# KiCad board fpgaboard.kicad_pcb (continued)
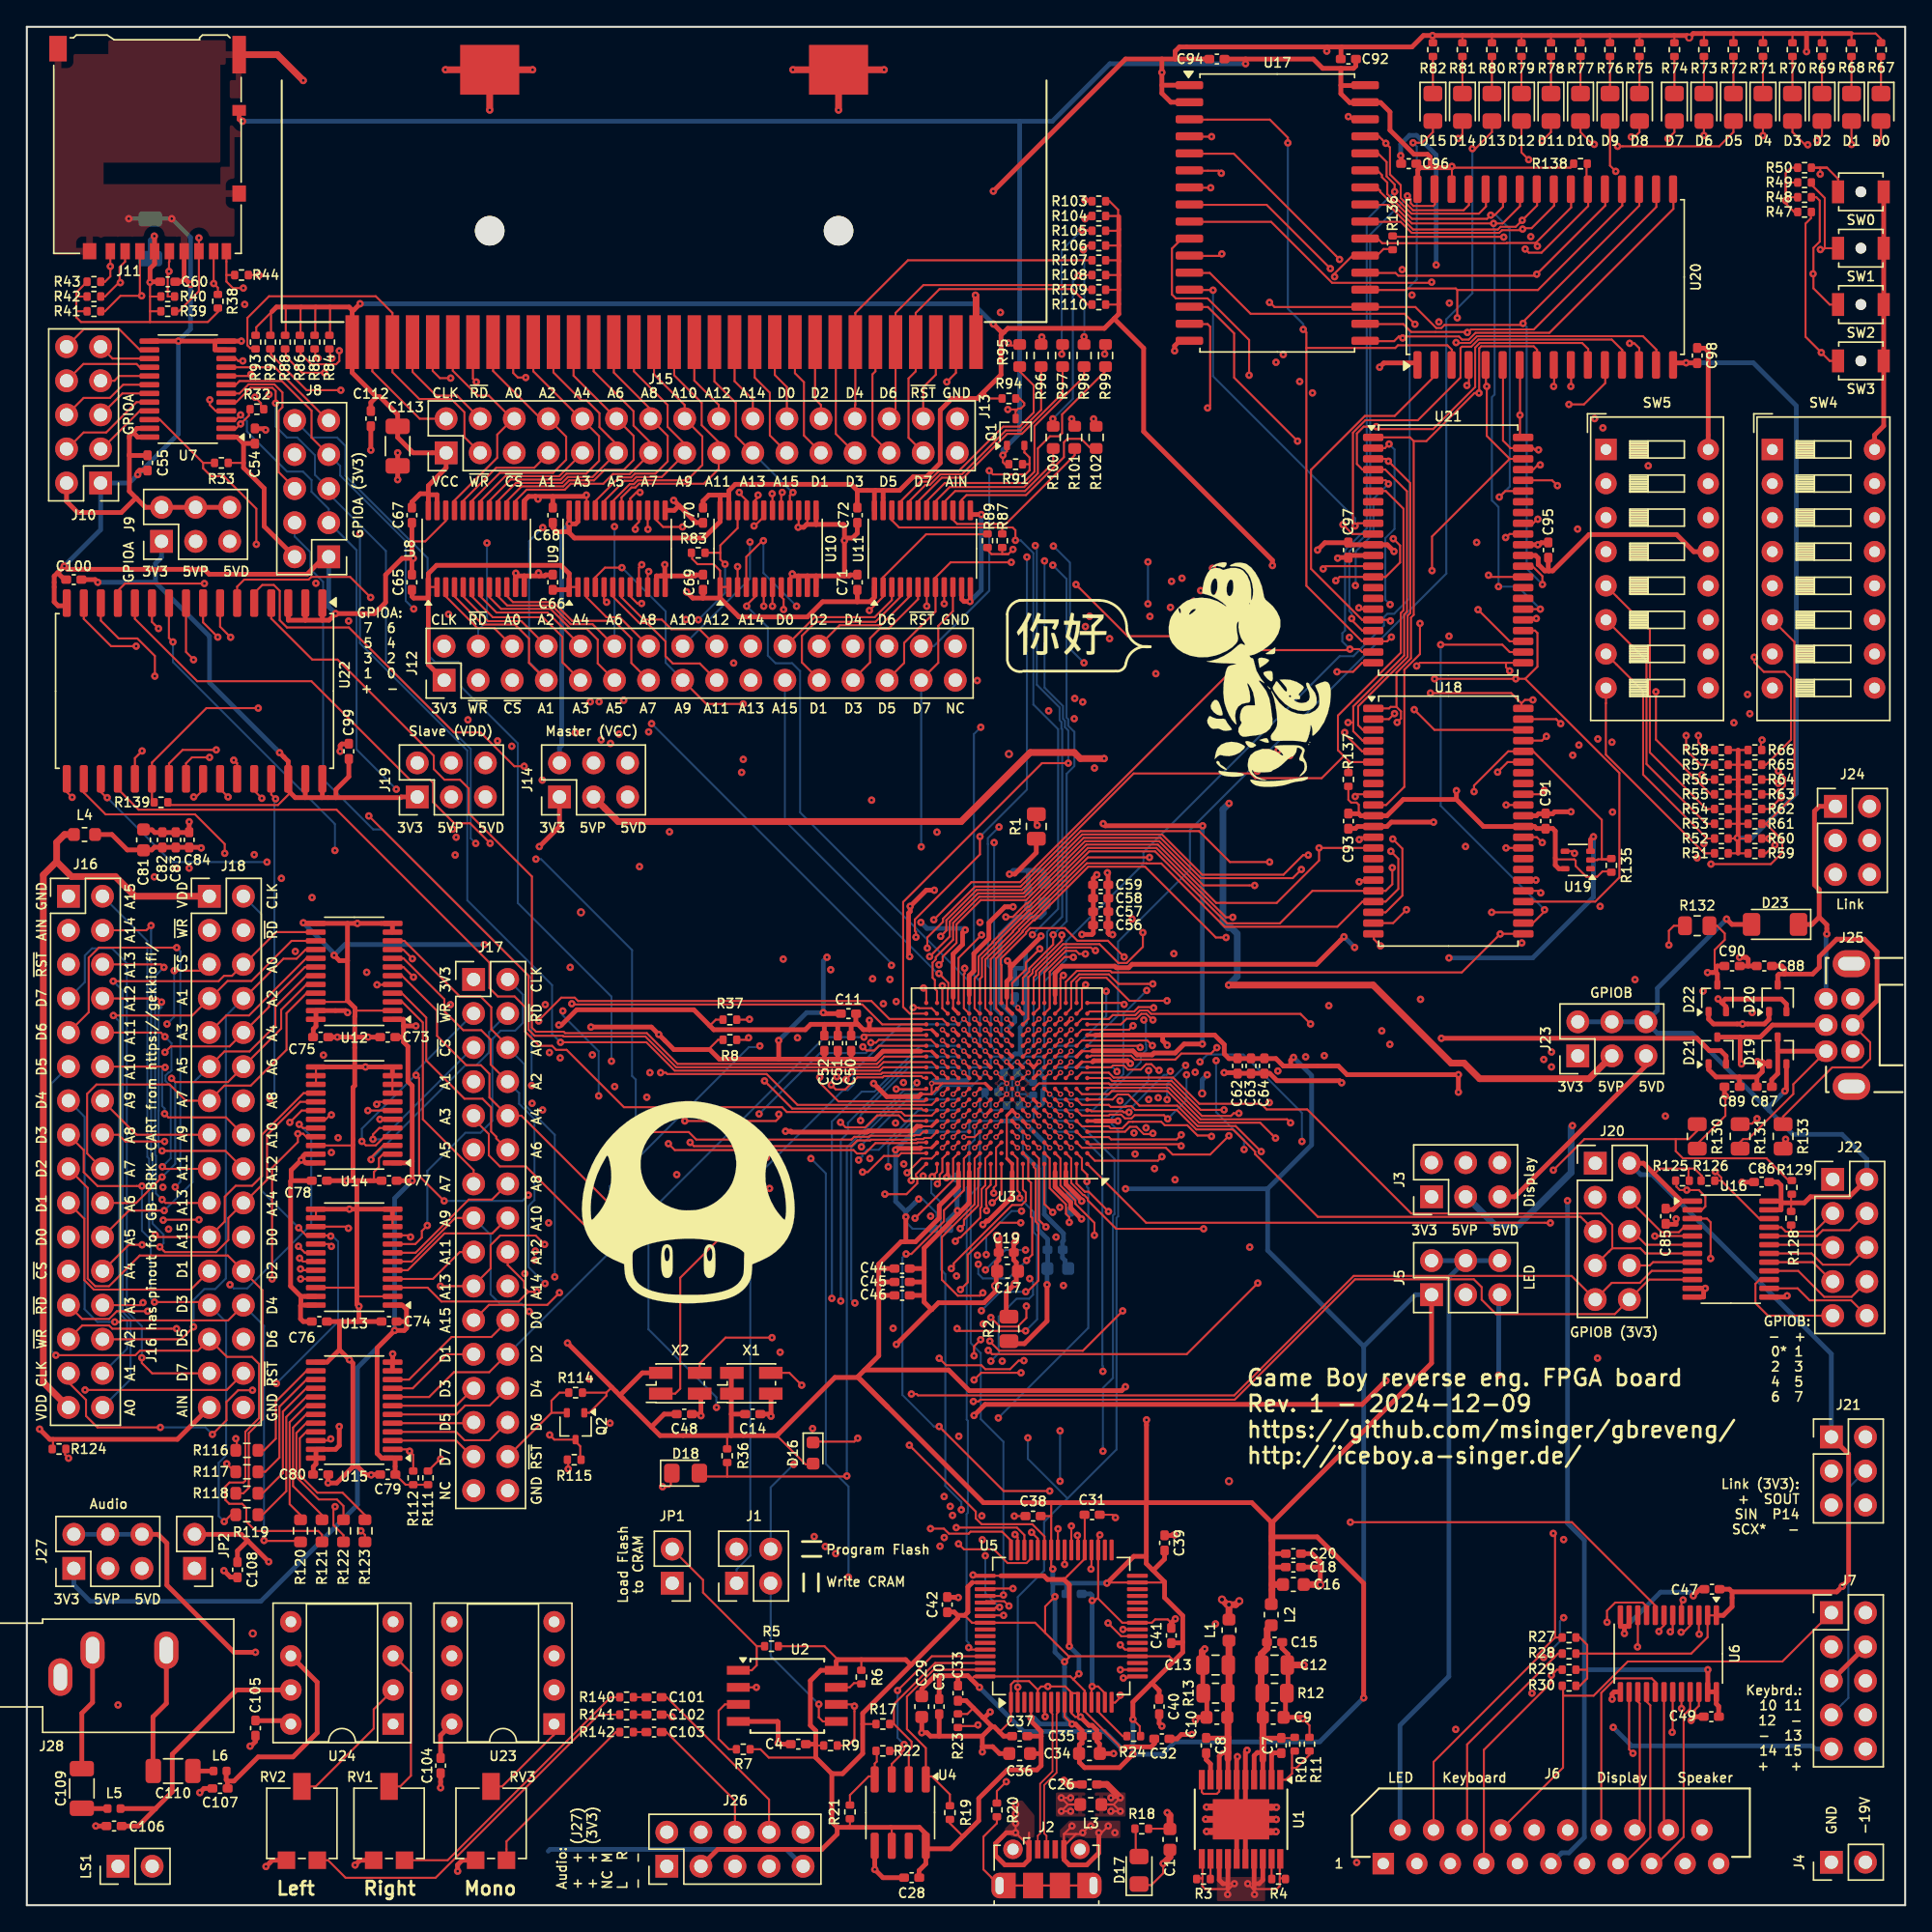
[diagram p0: board, top side]
## Routing (per net, layer and track width the routed paths; a pad name or vN(x,y) marks a point on that pad's centre or on a via; arc(x,y) is an arc through that point) (continued)
/SA5: length 75.5
  Top w0.15: v1(74.08,50.86) 72.52,50.86 70.13,48.48 70.13,46.42 v1(69.59,45.88) ; 27.25,68.62 26.52,68.62 26.5,68.6 v1(26.1,68.6) ; U3.C7 v3(74.64,56.45)
  In1.Cu w0.15: v1(37.12,47.07) 36.8,47.39 35.35,47.39 34.52,48.22 34.52,55.08 J17.11 27.16,62.44 27.16,67.54 v1(26.1,68.6) ; v1(74.08,50.86) 74.59,51.38 74.59,52.21 74.75,52.37 74.79,52.41 74.79,53.5 74.64,53.65 v3(74.64,56.45)
  In2.Cu w0.15: v1(37.12,47.07) 37.51,47.07 37.72,47.28 65.55,47.28 66.95,45.88 v1(69.59,45.88)
/SA6: length 86.7
  Top w0.15: 27.25,67.97 27.95,67.97 29.77,66.16 29.77,62.96 32.62,60.11 33.96,60.11 34.6,59.47 34.6,57.66 34.99,57.27 34.99,57.15 J17.12 ; U3.D9 v3(72.24,57.25)
  In1.Cu w0.15: v1(55.11,55.72) 56.15,54.69 v1(56.15,41.21) ; v3(72.24,57.25) 72.61,56.88 72.61,50.96 71.78,50.12 71.78,49.68 72.08,49.38 72.08,46.81 71.65,46.37 71.65,45.94 72.39,45.2 72.39,40.86 v1(72.7,40.55)
  In2.Cu w0.15: J17.12 47.65,56.3 48.23,55.72 v1(55.11,55.72) ; v1(72.7,40.55) 72.1,39.95 57.41,39.95 v1(56.15,41.21)
/SA7: length 70.3
  Top w0.15: J17.13 33.3,54.79 29.52,58.57 29.52,65.79 27.98,67.33 27.25,67.33 ; U3.E9 v3(72.24,58.05)
  In1.Cu w0.15: v1(70.85,48.44) 70.85,48.83 70.81,48.87 70.81,52.62 71.84,53.65 71.84,57.65 v3(72.24,58.05)
  In2.Cu w0.15: v1(70.85,48.44) 70.89,48.44 71.3,48.03 71.69,48.03 72.02,48.35 72.02,48.63 70.04,50.61 70.04,50.65 69.8,50.88 69.36,50.88 68.16,52.08 66.85,52.08 66.76,52.18 66.02,52.18 65.94,52.26 65.09,52.26 64.65,51.81 50.89,51.81 50.23,52.48 34.58,52.48 J17.13
/SA8: length 52
  Top w0.15: v1(72.06,53.08) 72.06,53.47 72.24,53.65 72.24,56.45 U3.C9 ; J17.14 34.67,52.59 32.94,52.59 28.97,48.62 27.25,48.62
  In2.Cu w0.15: J17.14 54.22,53.76 55.44,52.54 64.67,52.54 65.44,53.31 66.24,53.31 66.29,53.37 66.92,53.37 67.25,53.04 71.64,53.04 71.67,53.08 v1(72.06,53.08)
/SA9: length 71
  Top w0.15: U3.D10 v3(71.44,57.25) ; J17.15 31.93,51.22 28.68,47.97 27.25,47.97 ; v1(71.1,42.15) 70.6,41.66 v1(70.6,40.95)
  In1.Cu w0.15: v1(71.1,42.15) 70.77,42.48 70.77,43.52 70.37,43.92 70.37,45.32 70.54,45.48 70.54,47.15 70.13,47.56 70.13,49.94 70.3,50.11 70.3,52.91 71.04,53.65 71.04,56.85 v3(71.44,57.25)
  In2.Cu w0.15: v1(70.6,40.95) 70.39,41.16 69.21,41.16 64.59,45.77 42.06,45.77 40.8,44.5 37.69,44.5 v1(37.44,44.25)
  Bottom w0.15: J17.15 34.57,49.95 34.57,45.52 35.27,44.82 36.87,44.82 v1(37.44,44.25)
/SA10: length 50.3
  Top w0.15: U3.A11 71.04,55.02 70.91,54.89 70.91,52.15 69.85,51.09 69.85,50.71 v1(69.57,50.43) ; J17.16 34.69,50.07 31.13,50.07 28.39,47.33 27.25,47.33
  In2.Cu w0.15: v1(69.57,50.43) 69.07,50.43 67.67,51.83 66.75,51.83 66.65,51.93 65.92,51.93 65.84,52.01 65.2,52.01 64.75,51.56 37.39,51.56 37.04,51.22 J17.16
/SA11: length 57.1
  Top w0.15: v1(71.53,51.77) 71.53,52.16 71.5,52.19 71.5,53.35 71.84,53.69 U3.A10 ; 27.25,46.67 30.27,46.67 32.27,48.68 J17.17
  In2.Cu w0.15: J17.17 34.42,49.8 40.85,49.8 41.31,49.35 47,49.35 47,49.35 64.1,49.35 64.75,50 66.6,50 68.09,48.5 69.3,48.5 70.15,47.65 70.15,47.5 70.95,46.69 71.95,46.69 72.28,47.02 72.28,48.74 71.81,49.21 71.81,51.49 v1(71.53,51.77)
/SA12: length 65.7
  Top w0.15: 27.25,46.03 29.87,46.03 30.9,44.99 36.66,44.99 37.38,45.72 ; J17.18 35.84,47.72 37.07,46.48 37.07,46.04 37.38,45.72 ; 37.38,45.72 v1(38.01,45.72) ; U3.C10 v3(71.44,56.45)
  In1.Cu w0.15: v1(71.28,43.32) 71.28,43.37 70.63,44.02 70.63,45.21 70.79,45.38 70.79,47.26 70.38,47.67 70.38,49.83 70.56,50.01 70.56,52.77 71.44,53.65 v3(71.44,56.45)
  In2.Cu w0.15: v1(38.01,45.72) 38.4,45.72 39.07,45.05 40.63,45.05 41.85,46.27 65.13,46.27 68.91,42.49 70.45,42.49 v1(71.28,43.32)
/SA13: length 75.1
  Top w0.15: v1(71.26,45.64) 71.05,45.43 69.39,45.43 68.21,46.61 68.21,49.81 70.64,52.24 70.64,55.65 U3.B11 ; v1(30.82,46.14) J17.19 33.3,46.19 34.57,47.46 34.57,49.2 35.28,49.91 37.93,49.91 v1(38.59,49.25) ; 27.25,58.58 v1(26.32,58.58)
  In1.Cu w0.15: v1(30.82,46.14) 27.63,49.33 27.63,57.26 v1(26.32,58.58)
  In2.Cu w0.15: v1(38.59,49.25) 38.98,49.25 39.13,49.1 46.89,49.1 64.21,49.1 64.86,49.74 66.49,49.74 67.99,48.25 69.2,48.25 69.9,47.55 69.9,47.39 71.26,46.03 v1(71.26,45.64)
/SA14: length 68.7
  Top w0.15: 27.25,59.22 v1(25.42,59.22) ; U3.A7 74.24,53.33 74.46,53.12 74.46,52.49 74.15,52.19 73.44,52.19 69.09,47.84 69.09,47.64 v1(68.9,47.45)
  In1.Cu w0.15: v1(37.86,48.08) 37.86,47.13 36.87,46.14 J17.20 34.63,47.35 32.72,47.35 31.8,48.28 31.8,54.61 26.22,60.19 25.87,60.19 25.42,59.74 v1(25.42,59.22)
  In2.Cu w0.15: v1(68.9,47.45) 68.87,47.48 67.62,47.48 65.86,49.24 65.21,49.24 64.38,48.4 38.18,48.4 v1(37.86,48.08)
/SA15: length 78.6
  Top w0.15: U3.B8 73.84,55.65 73.84,53.26 74,53.09 v1(74,52.71) ; v1(69.33,42.98) 69.51,42.8 74.44,42.8 v1(74.44,42.8) ; J17.21 34.44,44.74 38.79,44.74 v1(39.7,45.65) ; v1(26.07,59.69) 26.26,59.88 27.25,59.88
  In1.Cu w0.15: J17.21 33.3,44.4 30.31,47.39 30.31,55.45 v1(26.07,59.69)
  In2.Cu w0.15: v1(39.7,45.65) 40.61,45.65 41.49,46.53 65.23,46.53 68.78,42.98 v1(69.33,42.98)
  Bottom w0.15: v1(74,52.71) 75.04,51.67 75.04,50.16 75.3,49.9 75.3,43.66 v1(74.44,42.8)
/SCLK: length 103.8
  Top w0.15: v1(29.85,50.66) 29.44,50.25 29.44,49.76 28.96,49.28 27.25,49.28 ; v1(68,40.76) 68.52,40.24 71.15,40.24 71.44,39.95 73.29,39.95 73.92,40.59 v1(74.31,40.59) ; U3.F7 v3(74.64,58.85)
  In1.Cu w0.15: v1(67.36,51.35) 67.29,51.28 67.29,50.43 66.9,50.05 66.9,45.95 67.62,45.23 67.62,41.14 v1(68,40.76)
  In2.Cu w0.15: v1(29.85,50.66) 30.46,50.05 36.84,50.05 38.1,51.31 64.86,51.31 65.3,51.75 65.73,51.75 65.81,51.67 66.55,51.67 66.87,51.35 v1(67.36,51.35) ; v1(74.31,40.59) 75,41.27 75,43.24 73.71,44.53 73.71,45.71 74.16,46.15 74.16,46.52 73.99,46.69 73.99,49.05 75.04,50.1 75.04,58.45 v3(74.64,58.85)
  Bottom w0.15: J17.2 36.98,67.86 36.98,65.77 36.39,65.18 35.32,65.18 34.7,64.57 34.7,58.46 33.81,57.57 32.69,57.57 29.85,54.73 v1(29.85,50.66)
/SCX: length 80.2
  Top w0.15: 124.15,51.17 125.22,51.17 125.5,50.9 v1(125.5,48.2) ; U3.G1 80.92,60.05 81.29,60.42 82.09,60.42 82.93,59.59 85.75,59.59 87.27,58.07 90.1,58.07 v1(92,56.17)
  In1.Cu w0.15: J21.5 134.5,29.86 122.73,41.63 122.73,48.3 ; 122.73,48.3 125.4,48.3 v1(125.5,48.2) ; 122.73,48.3 122.65,48.3 122.05,48.9 122.05,49.87 120.43,51.49 118.17,51.49 J20.3
  In2.Cu w0.15: J20.3 116.44,52.76 112.56,56.64 103.63,56.64 103.16,56.17 v1(92,56.17)
/SD0: length 63
  Top w0.15: U3.M14 v3(68.24,64.45) ; J17.22 35.84,43.57 34.62,42.35 31.66,42.35 28.49,39.17 27.25,39.17
  In1.Cu w0.15: J17.22 36.69,44.45 36.69,45.04 39.63,47.98 39.63,62.57 38.95,63.25 v1(38.95,63.55)
  In2.Cu w0.15: v3(68.24,64.45) 63.9,64.45 62.96,63.51 62.15,63.51 62.1,63.56 44.72,63.56 44.15,64.13 40.26,64.13 39.96,63.83 39.23,63.83 v1(38.95,63.55)
/SD1: length 61.6
  Top w0.15: J17.23 31.3,41.06 28.76,38.53 27.25,38.53 ; U3.L12 v3(69.84,63.65)
  In2.Cu w0.15: v1(60,45.23) 41.88,45.23 38.98,42.33 34.57,42.33 J17.23
  Bottom w0.15: v3(69.84,63.65) 69.44,64.05 66.59,64.05 63.17,60.64 62.23,60.64 60,58.41 v1(60,45.23)
/SD2: length 51
  Top w0.15: J17.24 35.8,41.06 34.46,39.72 31.83,39.72 29.98,37.88 27.25,37.88 ; U3.N16 62.55,64.85 v1(62.4,64.7)
  Bottom w0.15: v1(62.4,64.7) 59.48,64.7 J17.24
/SD3: length 65.7
  Top w0.15: J17.25 33.29,38.52 32,37.22 27.25,37.22 ; U3.L13 v3(69.04,63.65)
  In1.Cu w0.15: v1(39.75,63.15) 39.89,63.01 39.89,46.54 39.05,45.7 39.05,44.93 36.43,42.31 35.19,42.31 34.57,41.69 34.57,39.79 J17.25
  In2.Cu w0.15: v3(69.04,63.65) 68.64,64.05 63.92,64.05 63.13,63.26 62.04,63.26 61.99,63.31 44.62,63.31 44.05,63.88 40.39,63.88 39.75,63.24 v1(39.75,63.15)
/SD4: length 67.3
  Top w0.15: J17.26 35.78,38.52 34.5,37.24 32.67,37.24 32,36.58 27.25,36.58 ; U3.L14 v3(68.24,63.65)
  In1.Cu w0.15: v1(42.15,63.38) 41.93,63.16 v1(41.93,39.22)
  In2.Cu w0.15: v1(42.15,63.38) 42.54,63.38 42.79,63.63 43.94,63.63 44.51,63.06 61.89,63.06 61.94,63.01 63.38,63.01 64.03,63.65 v3(68.24,63.65) ; v1(41.93,39.22) 37.56,39.22 36.87,38.52 J17.26
/SD5: length 62.1
  Top w0.15: U3.K12 v3(69.84,62.85) ; J17.27 33.25,35.92 27.25,35.92
  In2.Cu w0.15: J17.27 34.7,37.39 45.95,37.39 53.32,44.76 60.39,44.76 v1(60.67,45.03)
  Bottom w0.15: v3(69.84,62.85) 69.44,63.25 66.14,63.25 61.2,58.31 61.2,57.57 60.67,57.04 v1(60.67,45.03)
/SD6: length 62.9
  Top w0.15: J17.28 35.81,35.98 34.48,34.65 32.63,34.65 32,35.28 27.25,35.28 ; U3.M16 63.5,64.05 63.16,63.7 62.59,63.7 v1(62.31,63.98)
  In1.Cu w0.15: v1(43.46,50.17) 43.46,35.94 v1(43.47,35.93)
  In2.Cu w0.15: v1(62.31,63.98) 54.7,63.98 v1(54.63,64.04) ; v1(43.47,35.93) 36.92,35.93 36.87,35.98 J17.28
  Bottom w0.15: v1(54.63,64.04) 54.55,63.96 53.82,63.96 43.46,53.59 v1(43.46,50.17)
/SD7: length 64.3
  Top w0.15: 27.25,34.62 32,34.62 33.19,33.44 J17.29 ; U3.J10 v3(71.44,62.05)
  In2.Cu w0.15: v1(61.72,44.89) 59.92,43.09 55.31,43.09 46.82,34.6 34.46,34.6 J17.29
  Bottom w0.15: v3(71.44,62.05) 70.44,61.05 68.24,61.05 67.64,60.45 65.45,60.45 61.44,56.45 61.44,45.16 v1(61.72,44.89)
/SDCARD_D0: length 140.7
  Top w0.15: v1(12.83,124.27) J11.7 12.83,120.3 11.33,118.8 10.95,118.8 ; v1(78.2,98.43) 82.05,94.58 v1(85.54,94.58) ; U3.F1 79.27,59.25 79.34,59.17 81.68,59.17 81.76,59.09 v1(82.15,59.09)
  In1.Cu w0.15: v1(85.23,62.16) 85.23,62.69 85.97,63.43 85.97,93.62 85.54,94.05 v1(85.54,94.58) ; v1(78.2,98.43) 77.22,99.41 77.22,114.06 v1(72.56,118.71)
  In2.Cu w0.15: v1(12.83,124.27) 13.55,124.27 19.1,118.71 v1(72.56,118.71)
  Bottom w0.15: 85.15,62.16 v1(85.23,62.16) 84.96,61.89 84.76,61.89 82.42,59.55 82.42,59.37 v1(82.15,59.09)
/SDCARD_D1: length 146.2
  Top w0.15: 14.24,120 14.24,120.55 v1(13.93,120.87) 13.92,120.87 J11.8 ; v1(90.34,59.03) 89.95,59.03 89.75,58.83 87.58,58.83 85.23,61.18 80.71,61.18 80.64,61.25 75.44,61.25 U3.H6
  In1.Cu w0.15: v1(93.24,62.17) 88.11,67.3 88.11,96.89 v1(87.84,97.16)
  In2.Cu w0.15: v1(93.24,62.17) 93.24,61.93 v1(90.34,59.03) ; v1(13.93,120.87) 15.03,119.77 16.46,119.77 16.69,119.53 16.69,118.49 34.11,101.08 44.03,101.08 46.51,98.59 49.57,98.59 49.89,98.27 63.11,98.27 63.34,98.5 70.72,98.5 71.74,97.48 78.61,97.48 78.82,97.7 87.12,97.7 87.38,97.44 87.57,97.44 v1(87.84,97.16)
/SDCARD_D2: length 142.3
  Top w0.15: 5.45,121 5.83,121 6.23,121.4 v1(6.23,122.15) J11.1 ; U3.F2 78.64,58.85 80.64,58.85 80.71,58.92 81.57,58.92 81.85,58.64 82.33,58.64 82.57,58.88 84.76,58.88 v1(85.03,58.6)
  In1.Cu w0.15: v1(86.1,98.9) 86.1,93.98 86.28,93.8 86.28,63.36 85.85,62.93 85.85,62.41 86.36,61.89 v1(86.44,61.89)
  In2.Cu w0.15: v1(86.1,98.9) 85.86,99.14 77.48,99.14 76.93,98.58 72.74,98.58 71.12,100.2 53.17,100.2 51.59,101.78 34.95,101.78 24.34,112.39 23.27,112.39 21,114.66 21,115.58 16.56,120.02 16,120.02 13.59,122.42 6.5,122.42 v1(6.23,122.15)
  Bottom w0.15: v1(86.44,61.89) 86.44,60.01 v1(85.03,58.6)
/SDCARD_D3: length 143.9
  Top w0.15: U3.H3 v3(77.84,60.45) ; 5.45,119.9 5.83,119.9 6.92,120.99 ; 6.92,120.99 6.92,122.09 7.33,122.5 J11.2 ; 6.92,120.99 v1(6.97,120.93)
  In1.Cu w0.15: v1(87.08,62.09) 87.08,62.55 86.83,62.8 86.83,96.65 86.98,96.8 v1(86.98,97.18)
  In2.Cu w0.15: v1(87.08,62.09) 88.1,61.07 88.1,60.31 87.79,60 86.09,60 85.32,60.77 78.16,60.77 v3(77.84,60.45) ; v1(86.98,97.18) 86.59,97.18 86.33,97.44 78.93,97.44 78.71,97.23 71.64,97.23 70.61,98.25 63.45,98.25 63.22,98.02 49.79,98.02 49.47,98.34 38.39,98.34 36.24,100.48 34.34,100.48 19.17,115.66 11.53,115.66 6.97,120.23 v1(6.97,120.93)
/SDCARD_SW: length 100.7
  Top w0.15: 15.55,121.5 14.88,121.5 ; 14.88,121.5 J11.9 ; 14.88,121.5 14.88,121.02 15.36,120.53 v1(16.13,120.53) ; v1(25.49,81.19) 37.39,69.28 37.39,65.26 37.85,64.8 39.96,64.8 40.02,64.75 46.1,64.75 48.4,62.45 63.47,62.45 63.85,62.84 67.45,62.84 U3.K15
  In1.Cu w0.15: v1(25.49,81.19) 25.49,94.21 v1(23.98,95.71) ; v1(16.13,120.53) 15.74,120.13 15.74,118.48 21.27,112.94 21.27,98.81 v1(21.55,98.53)
  In2.Cu w0.15: v1(21.55,98.53) 23.98,96.1 v1(23.98,95.71)
/SDIR: length 73.2
  Top w0.102: U3.P14 68.64,65.66
  Top w0.15: U3.P14 68.24,66.05 64.29,66.05 62.95,67.39 41.08,67.39 40.84,67.64 39.83,67.64 38.15,65.96 v1(38.15,65.9) ; 27.25,33.97 28.39,33.97 v1(28.53,33.84) 28.8,33.56 R112.2
  In1.Cu w0.15: v1(28.53,33.84) 28.53,38.1 32.76,42.33 33.8,42.33 34.53,43.06 34.53,44 35.49,44.96 36.25,44.96 39.37,48.07 39.37,62.43 38.1,63.7 38.1,65.85 v1(38.15,65.9)
/SIN: length 142
  Top w0.15: v1(91.75,46.37) 86.45,41.07 71.94,41.07 v1(71.66,41.35) ; 27.25,49.92 28.47,49.92 v1(28.6,49.8) ; U3.F3 v3(77.84,58.85)
  In2.Cu w0.15: v1(28.6,49.8) 28.6,49.08 32.92,44.75 40.69,44.75 41.96,46.02 65.03,46.02 69.42,41.63 71.38,41.63 v1(71.66,41.35) ; v3(77.84,58.85) 80.65,58.85 80.71,58.91 81.69,58.91 81.96,58.64 82.08,58.64 83.05,57.67 83.05,54.67 83.64,54.09 83.64,53.85 87.53,49.96 88.16,49.96 v1(91.75,46.37) 94.79,43.33 122.51,43.33 133.47,32.36 J21.3
/SIN_5V: length 133.1
  Top w0.15: v1(23.97,50.45) 23.85,50.58 21.55,50.58 ; 122.9,57.1 122.9,56.2 123.44,55.66 129.66,55.66 131.32,54.01 R129.2 ; 122.9,57.1 123.88,57.1 124.5,57.72 124.5,58.25 ; 122.9,57.1 116.09,57.1 115.62,56.63 v1(113.78,54.78) ; v1(81.68,44.29) 78.71,41.32 72.48,41.32 71.78,42.02 v1(71.78,42.04)
  In1.Cu w0.15: v1(84.05,54.9) 83.76,54.61 83.76,46.37 v1(81.68,44.29)
  In2.Cu w0.15: v1(71.78,42.04) 72.55,42.82 72.55,43.85 71.3,45.1 71.1,45.1 69.8,46.4 68.34,46.4 67.21,47.53 32.34,47.53 29.14,50.73 24.24,50.73 v1(23.97,50.45) ; v1(84.05,54.9) 84.22,55.07 102.67,55.07 103.99,56.39 112.17,56.39 v1(113.78,54.78)
/SOUT: length 156.3
  Top w0.15: 46.28,98.25 46.28,99.33 v1(46.35,99.4) ; U3.G3 v3(77.84,59.65)
  In1.Cu w0.15: v1(86.37,62.6) 86.54,62.77 86.54,93.89 86.46,93.98 86.46,97.31 87.12,97.98 v1(87.49,97.98) ; v1(81.48,59.95) 82.19,60.67 84.5,60.67 84.99,60.17 v1(84.99,60.04) 84.99,59.8 91.15,53.65 v1(91.15,49.05)
  In2.Cu w0.15: J21.2 137.04,34.91 127.84,44.11 96.08,44.11 v1(91.15,49.05) ; v1(46.35,99.4) 46.66,99.09 49.43,99.09 50,98.52 63.01,98.52 63.24,98.75 70.82,98.75 71.84,97.73 78.5,97.73 78.72,97.95 87.07,97.95 87.1,97.98 v1(87.49,97.98) ; v1(81.48,59.95) 81.18,59.65 v3(77.84,59.65)
  Bottom w0.15: v1(84.99,60.04) 84.99,61.22 v1(86.37,62.6)
/SOUT_5V: length 110.3
  Top w0.15: 123.55,73 122.76,73 122.39,72.63 v1(122.39,71.56) ; v1(48.87,102.73) 47.42,102.73 46.92,103.22 46.92,103.95
  In1.Cu w0.15: v1(88.37,99.64) 88.37,75.78 97.04,67.11 v1(97.04,67.04)
  In2.Cu w0.15: v1(88.37,99.64) 77.27,99.64 76.72,99.09 72.95,99.09 71.33,100.7 53.76,100.7 51.74,102.73 v1(48.87,102.73) ; v1(97.04,67.04) 98.39,68.39 119.94,68.39 122.39,70.84 v1(122.39,71.56)
/SPEAKER: length 125.4
  Top w0.35: 16.48,27.15 15.99,27.64 JP2.2 ; 16.48,27.15 v1(18.03,25.6) ; 16.48,27.15 16.44,27.15 15.7,26.41 15.7,25.55
  In2.Cu w0.35: v1(18.03,25.6) 41.99,25.6 53.49,14.1 66.94,14.1 68.84,12.2 81.94,12.2 84.3,14.55 110.74,14.55 114.84,10.45 120,10.45 J6.20
/USB_~{PWR}: length 41.1
  Top w0.15: v1(70.2,19.2) 70.35,19.05 71.4,19.05 ; U3.E11 v3(70.64,58.05)
  Bottom w0.15: v3(70.64,58.05) 70.64,57.05 70.24,56.65 70.24,53.65 70.05,53.46 70.05,36.2 70.14,36.11 70.14,29.24 70.04,29.15 70.04,19.71 70.2,19.55 v1(70.2,19.2)
/USB_~{SUSP}: length 42.5
  Top w0.15: U3.C12 v3(69.84,56.45) ; v1(79.32,25.05) 79.35,25.08 79.35,26.5
  In1.Cu w0.15: v1(71.21,27.24) 70.73,27.72 70.73,29.09 68.98,30.85 68.98,40.03 69.21,40.26 69.21,40.47 69.21,42.01 68.63,42.59 68.63,45.97 68.11,46.49 68.11,49.56 68.29,49.74 68.29,50.49 68.66,50.85 68.66,52.51 69.84,53.69 v3(69.84,56.45)
  In2.Cu w0.15: v1(71.21,27.24) 72.72,27.24 73.35,26.61 77.75,26.61 v1(79.32,25.05)
/VA0: length 81.8
  Top w0.15: 8.05,96.85 8.05,95.87 12.7,91.23 21.21,91.23 28.55,83.89 30.05,83.89 30.28,83.65 30.28,82.21 31.85,80.64 33.04,80.64 v1(34.53,79.14) ; U3.E16 65.4,58.45 64.98,58.87 63.38,58.87 62.48,57.97 61.03,57.97 v1(60.65,58.35)
  In1.Cu w0.15: v1(60.65,58.35) 60.55,58.35 58,60.9 58,68.96 56.45,70.51 v1(56.38,70.51)
  In2.Cu w0.15: v1(34.53,79.14) 43.16,70.51 v1(56.38,70.51)
/VA1: length 88.5
  Top w0.15: 9.33,96.85 9.33,95.65 v1(9.82,95.15) ; U3.G13 v3(69.04,59.65)
  In1.Cu w0.15: v1(32.88,88.35) 32.88,84.65 33.65,83.87 34.66,83.87 39.98,78.55 39.98,66.68 v1(39.95,66.65)
  In2.Cu w0.15: v1(42.62,60.32) 43.06,59.88 45.88,59.88 45.99,59.77 53.83,59.77 54.04,59.98 56.38,59.98 56.98,59.38 61.66,59.38 61.71,59.44 63.13,59.44 63.19,59.37 65.32,59.37 65.44,59.25 68.64,59.25 v3(69.04,59.65) ; v1(9.82,95.15) 11.03,95.15 13.57,92.61 13.57,92.23 17.45,88.35 v1(32.88,88.35)
  Bottom w0.15: v1(39.95,66.65) 39.95,66.32 42.62,63.65 v1(42.62,60.32)
/VA2: length 85.9
  Top w0.15: 10.59,96.85 10.59,96.85 10.59,94.45 v1(10.89,94.15) ; U3.D16 66.81,57.65 66.56,57.4 66.2,57.4 66.15,57.35 62.86,57.35 62.78,57.27 61.67,57.27 61.46,57.06 49.9,57.06 49.34,57.62 45.92,57.62 v1(45.11,56.81)
  In1.Cu w0.15: v1(37.94,77.97) 32.24,77.97 v1(31.93,78.27)
  In2.Cu w0.15: v1(31.93,78.27) 23.3,78.27 v1(22.96,78.61)
  Bottom w0.15: v1(45.11,56.81) 45.39,57.09 45.39,61.53 45.11,61.81 45.11,71.19 38.33,77.97 v1(37.94,77.97) ; v1(10.89,94.15) 10.89,92.65 22.96,80.58 v1(22.96,78.61)
/VA3: length 87.8
  Top w0.15: v1(12.43,92.82) 12.43,92.85 11.87,93.41 11.87,96.85 ; U3.G12 v3(69.84,59.65)
  In1.Cu w0.15: v1(62,55.54) 61.44,56.1 61.44,58.25 58.29,61.39 58.29,73.08 44.78,86.59 v1(43.5,86.59)
  In2.Cu w0.15: v1(12.43,92.82) 17.36,87.89 33.12,87.89 33.25,88.03 42.3,88.03 43.5,86.83 v1(43.5,86.59)
  Bottom w0.15: v3(69.84,59.65) 69.44,59.25 66.45,59.25 63.5,56.3 62.62,56.3 62.27,55.95 62.27,55.81 v1(62,55.54)
/VA4: length 82.7
  Top w0.15: v1(14.23,94.51) 13.13,95.61 13.13,96.85 ; U3.F14 v3(68.24,58.85)
  In1.Cu w0.15: v1(20.01,71.09) 20.01,74.05 16,78.06 16,82.21 15.99,82.23 15.99,92.76 v1(14.23,94.51)
  In2.Cu w0.15: v3(68.24,58.85) 65.44,58.85 65.17,59.12 62.74,59.12 62.67,59.18 61.82,59.18 61.76,59.13 56.64,59.13 56.04,59.73 54.18,59.73 53.97,59.52 45.89,59.52 45.88,59.52 39.31,59.52 38.61,60.22 32.18,60.22 21.31,71.09 v1(20.01,71.09)
/VA5: length 94.9
  Top w0.15: v1(15.19,94.5) 14.41,95.29 14.41,96.85 ; U3.F12 v3(69.84,58.85)
  In1.Cu w0.15: v1(15.19,94.5) 16.24,93.45 16.24,82.33 16.25,82.32 16.25,78.16 17.37,77.04 17.46,77.04 21.54,72.97 21.54,67.18 23.65,65.07 23.65,62.6 22.83,61.79 22.83,60.97 23.5,60.3 23.5,58.37 23.2,58.07 v1(23.2,57.2)
  In2.Cu w0.15: v1(64.21,55.04) 63.82,55.04 63.75,55.1 62.23,55.1 62.21,55.09 61.78,55.09 61.68,55.19 32.1,55.19 31.18,56.12 25.01,56.12 23.92,57.2 v1(23.2,57.2)
  Bottom w0.15: v1(64.21,55.04) 64.21,56.61 66.05,58.45 69.44,58.45 v3(69.84,58.85)
/VA6: length 86.9
  Top w0.15: v1(25.62,97.47) 24.09,99 21.2,99 21,98.8 16.2,98.8 15.67,98.28 15.67,96.85 ; v1(49.44,56.85) 49.71,56.58 61.47,56.58 61.89,57 62.86,57 62.91,57.05 66.25,57.05 66.3,57.1 66.82,57.1 66.9,57.19 67.38,57.19 U3.D15
  In1.Cu w0.15: v1(49.44,56.85) 49.71,57.12 49.71,60.38 46.44,63.65 46.44,78.14 43.62,80.96 43.62,85.3 40.43,88.48 37.08,88.48 34.91,90.66 34.91,91.86 34.2,92.57 33.03,92.57 32.31,93.3 32.31,94.61 29.45,97.47 v1(25.62,97.47)
/VA7: length 89.8
  Top w0.15: v1(37.07,84.89) 36.34,84.89 33.81,87.41 31.82,87.41 24,95.23 19.39,95.23 18.85,95.77 18.85,97.96 18.41,98.4 17.55,98.4 16.95,97.79 16.95,96.85 16.94,96.85 ; v3(70.64,58.85) U3.F11
  In1.Cu w0.15: v1(37.07,84.89) 37.07,82.55 44.28,75.34 44.28,62.86 48.44,58.69 v1(48.44,54.45) ; v3(70.64,58.85) 70.24,58.45 67.84,58.45 66.19,56.8 66.19,54.29 v1(65.92,54.02)
  In2.Cu w0.15: v1(48.44,54.45) 48.87,54.02 v1(65.92,54.02)
/VA8: length 76.7
  Top w0.15: v1(15.42,85.34) 15.63,85.13 15.67,85.13 15.67,84.15 ; v1(47.82,56.76) 48.29,56.28 61.62,56.28 61.88,56.02 62.47,56.02 63.25,56.8 66.35,56.8 66.4,56.85 U3.C16
  In1.Cu w0.15: v1(35.09,86.78) 35.36,86.5 35.36,83.55 42.64,76.27 42.64,63.05 47.82,57.87 v1(47.82,56.76)
  In2.Cu w0.15: v1(35.09,86.78) 16.86,86.78 v1(15.42,85.34)
/VA9: length 79.5
  Top w0.15: v1(56.05,58.95) 56.05,58.67 55.83,58.45 v1(49.04,58.45) ; v1(15,82.6) 14.43,83.17 14.41,83.17 14.41,84.15 ; U3.F13 v3(69.04,58.85)
  In1.Cu w0.15: v1(49.04,58.45) 44.53,62.96 44.53,75.45 38.42,81.56 v1(38.42,83.85)
  In2.Cu w0.15: v1(38.42,83.85) 26.81,83.85 24.21,86.46 18.1,86.46 15,83.36 v1(15,82.6) ; v1(56.05,58.95) 56.13,58.87 61.86,58.87 61.92,58.93 62.36,58.93 62.43,58.86 65.03,58.86 65.44,58.45 68.64,58.45 v3(69.04,58.85)
/VA10: length 84.7
  Top w0.15: v1(62.29,54.64) 62.68,54.64 63.88,55.84 64.97,55.84 65.17,56.05 U3.B16 ; 10.59,84.15 10.59,85.09 11.61,86.11 v1(14.12,86.11)
  In1.Cu w0.15: v1(14.12,86.11) 14.12,82.81 15.75,81.18 15.75,77.96 19.45,74.25 19.45,68.49 22.59,65.35 22.59,61.9 22.52,61.83 22.52,60.92 23.2,60.25 23.2,58.68 22.7,58.18 v1(22.7,56.1)
  In2.Cu w0.15: v1(22.7,56.1) 24.2,54.6 31.9,54.6 32.22,54.92 61.59,54.92 61.87,54.64 v1(62.29,54.64)
/VA11: length 83
  Top w0.15: v1(12.44,82.6) 12.61,82.6 13.13,83.13 13.13,84.15 ; U3.E13 v3(69.04,58.05)
  In1.Cu w0.15: v1(11.13,77.3) 11.13,81.29 v1(12.44,82.6)
  In2.Cu w0.15: v3(69.04,58.05) 68.64,57.65 65.44,57.65 65.31,57.52 63.44,57.52 62.99,57.07 54.44,57.07 53.76,57.75 48.72,57.75 48.68,57.79 25.55,57.79 17.06,66.28 15.59,66.28 14.8,67.07 14.8,68.2 14.16,68.85 12.71,68.85 8.49,73.07 8.49,76.46 9.33,77.3 v1(11.13,77.3)
/VA12: length 72
  Top w0.15: 18.22,96.85 18.22,95.9 21.28,92.84 23.16,92.84 30.33,85.67 30.33,84.68 31.12,83.89 32.28,83.89 32.93,83.23 32.93,81.38 37.64,76.67 37.64,65.41 37.95,65.1 40.02,65.1 40.12,65 46.21,65 48.5,62.7 63.36,62.7 63.91,63.25 U3.L16
/VA13: length 67
  Top w0.15: U3.K13 v3(69.04,62.85) ; v1(17.52,82.5) 16.94,83.07 16.94,84.15
  In1.Cu w0.15: v1(17.52,82.5) 18.97,81.04 v1(18.97,76.53)
  In2.Cu w0.15: v1(18.97,76.53) 18.97,76.08 24.85,70.2 24.85,68.79 28.56,65.08 36.37,65.08 38.95,62.5 42.44,62.5 43.31,63.38 43.84,63.38 44.46,62.76 63.49,62.76 63.98,63.25 68.64,63.25 v3(69.04,62.85)
/VD0: length 84.3
  Top w0.15: 6.78,96.85 6.78,97.97 7.32,98.51 v1(13.23,98.51) ; v1(59.1,61.71) 59.1,61.3 60.49,59.91 66.9,59.91 U3.G16
  In1.Cu w0.15: v1(44.15,87.29) 44.43,87.01 44.72,87.01 58.57,73.16 58.57,63.62 59.1,63.09 v1(59.1,61.71)
  In2.Cu w0.15: v1(13.23,98.51) 13.62,98.51 22.94,89.19 33.03,89.19 33.56,88.66 42.78,88.66 v1(44.15,87.29)
/VD1: length 93.7
  Top w0.15: U3.H12 v3(69.84,60.45) ; 5.52,96.85 5.52,95.74 6.85,94.41 8.24,94.41 9.54,93.11 v1(9.54,91.61)
  In1.Cu w0.15: v1(42.81,86.86) 43.71,87.75 44.33,87.75 59.02,73.07 59.02,66.85 58.86,66.68 58.86,63.72 59.56,63.01 59.56,61.53 59.45,61.42 59.45,60.59 61.69,58.35 61.69,57.04 v1(62.2,56.52)